# Allegro board IMX7D EVK BOARD REV D_160314.brd (continued)
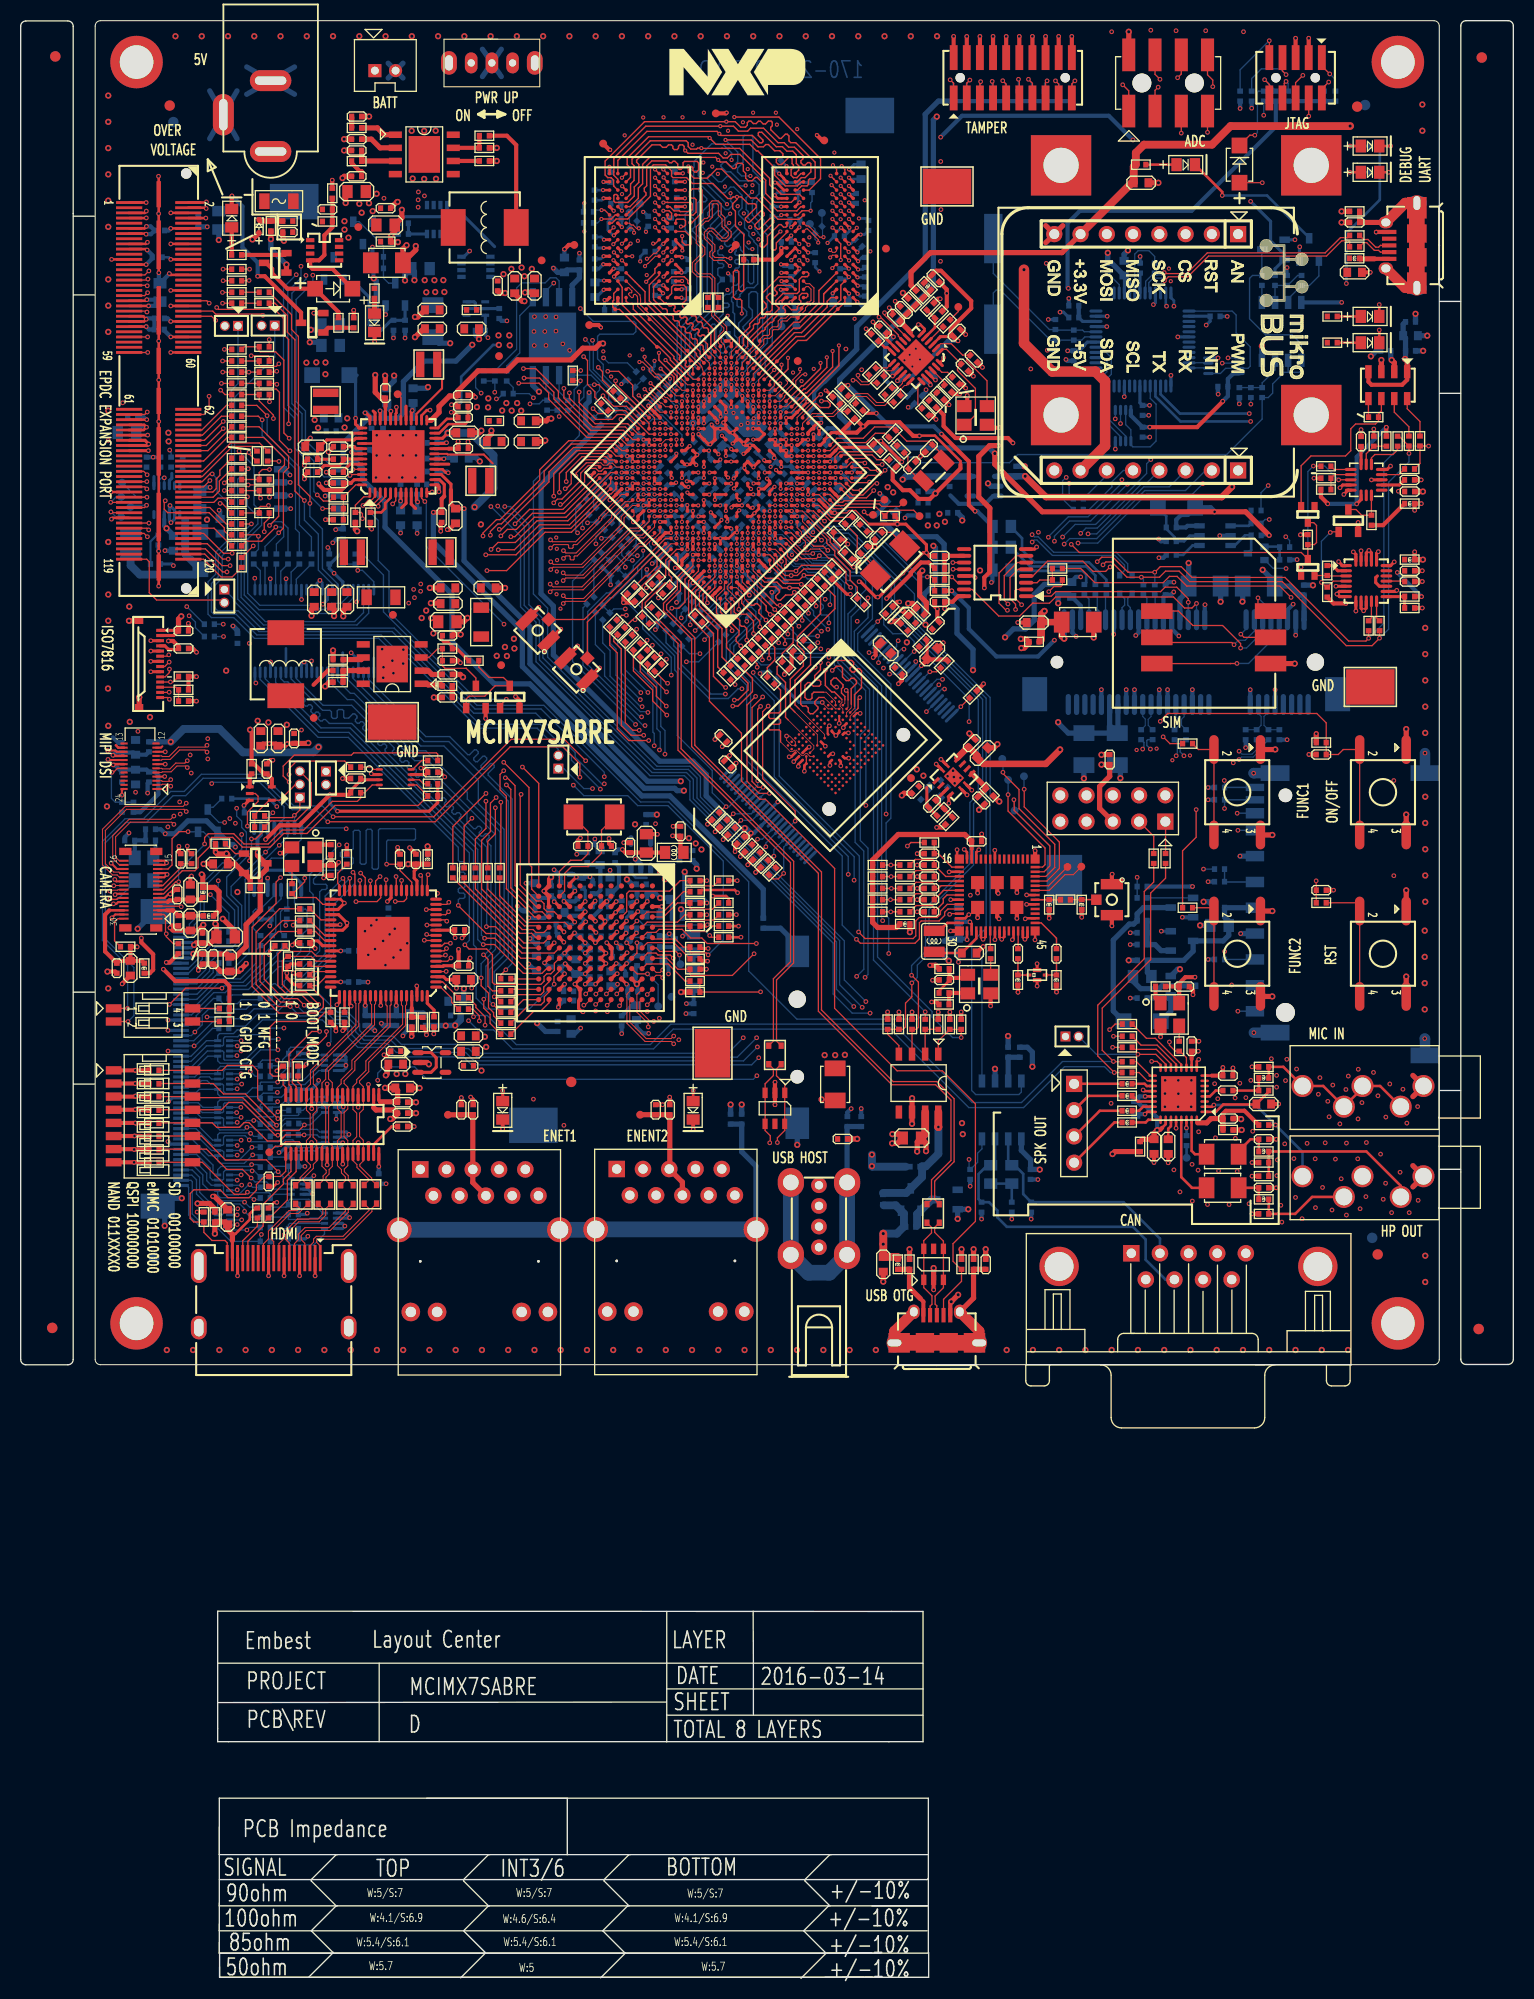
[diagram p0: board, top side]
## Routing (per net, layer and track width the routed paths; a pad name or vN(x,y) marks a point on that pad's centre or on a via; arc(x,y) is an arc through that point) (continued)
  BOTTOM w0.127: RN17.4 21.36,86.49 v1(21.37,86.5)
LCD_R2: length 56.3
  TOP w0.127: v1(39.04,100.41) 39.07,100.38 U13.10
  L6_INT_2 w0.127: v1(39.04,100.41) 39.39,100.41 40.73,101.75 41.64,101.75 42.18,102.28 42.18,102.89 42.3,103.02 42.71,103.02 42.84,102.89 42.84,102.56 42.96,102.43 43.34,102.43 43.47,102.56 43.47,102.84 43.62,102.99 43.95,102.99 44.13,102.81 44.13,101.29 43.95,101.11 41.11,101.11 39.04,99.04 39.04,95.46 36.31,92.73 35.52,92.73 35.39,92.6 35.39,92.07 35.27,91.94 34.66,91.94 34.45,92.14 34.1,92.14 34,92.25 34,92.6 33.87,92.73 33.46,92.73 33.34,92.6 33.34,91.64 33.21,91.51 32.9,91.51 32.78,91.64 32.78,92.6 32.65,92.73 32.32,92.73 32.19,92.6 32.19,91.41 31.76,90.98 29.35,90.98 28.99,90.62 28.18,90.62 27.98,90.82 27.98,92.32 27.82,92.47 27.52,92.47 27.39,92.35 27.39,91.23 27.27,91.1 26.86,91.1 26.73,91.23 26.73,92.2 26.61,92.32 26.28,92.32 26.16,92.2 26.16,91.17 26.03,91.04 25.6,91.04 24.57,92.07 20.79,92.07 19.65,90.93 19.65,88.27 v1(20.94,86.98)
  BOTTOM w0.127: RN17.6 20.93,86.99 v1(20.94,86.98)
LCD_R3: length 57
  TOP w0.127: U13.9 40.77,99.88 41.01,100.12 v1(41.57,100.12)
  L6_INT_2 w0.127: v1(21.32,87.49) 21.32,87.85 22.21,88.74 22.21,89.02 22.01,89.22 21.7,89.22 20.81,88.33 20.23,88.33 20.03,88.54 20.03,90.75 20.92,91.64 22.87,91.64 23.36,91.14 23.54,91.14 24.11,91.71 24.29,91.71 24.47,91.53 24.47,91.36 23.9,90.79 23.9,90.61 24.24,90.26 25.13,90.26 25.54,89.86 25.89,89.86 26.01,89.99 26.01,90.52 26.14,90.65 26.39,90.65 26.52,90.52 26.52,89.99 26.65,89.86 26.9,89.86 27.03,89.99 27.03,90.52 27.16,90.65 27.41,90.65 27.54,90.52 27.54,90.09 27.66,89.96 29.5,89.96 29.68,89.78 29.68,89.38 29.81,89.25 30.09,89.25 30.21,89.38 30.21,89.83 30.34,89.96 30.62,89.96 30.72,89.86 30.72,89.15 30.85,89.02 31.15,89.02 31.28,89.15 31.28,90.29 31.41,90.42 31.71,90.42 31.84,90.29 31.84,89.02 31.96,88.89 32.27,88.89 32.4,89.02 32.4,90.93 32.52,91.05 32.85,91.05 32.98,90.93 32.98,89.99 33.11,89.86 33.31,89.86 33.64,90.19 33.64,91.03 33.79,91.18 34.12,91.18 34.25,91.05 34.25,90.93 34.38,90.8 34.68,90.8 34.81,90.93 34.81,91.38 34.94,91.51 35.27,91.51 35.39,91.38 35.39,90.93 35.52,90.8 35.77,90.8 35.9,90.93 35.9,92.11 36.12,92.32 36.64,92.32 36.82,92.14 37.17,92.14 37.39,92.37 37.39,92.55 37.15,92.79 37.15,92.97 37.33,93.15 37.51,93.15 37.79,92.87 37.97,92.87 38.15,93.05 38.15,93.23 37.87,93.5 37.87,93.68 38.05,93.86 38.23,93.86 38.5,93.6 38.68,93.6 38.86,93.78 38.86,93.96 38.59,94.22 38.59,94.4 38.77,94.58 38.95,94.58 39.24,94.29 39.42,94.29 39.6,94.47 39.6,94.65 39.31,94.94 39.31,95.12 39.46,95.27 39.46,97.4 39.71,97.66 39.71,98.09 39.46,98.34 39.46,98.8 40.78,100.12 v1(41.57,100.12)
  BOTTOM w0.127: RN17.8 21.32,87.49 v1(21.32,87.49)
LCD_R4: length 56.2
  TOP w0.127: v1(41.18,99.61) 40.95,99.38 U13.8
  L6_INT_2 w0.127: v1(41.18,99.61) 40.88,99.61 40.32,99.05 40.32,98.62 40.45,98.49 40.85,98.49 40.98,98.37 40.98,98.06 40.85,97.94 40.45,97.94 40.32,97.81 40.32,97.37 40.19,97.25 40.02,97.25 39.89,97.12 39.89,96.87 40.02,96.74 40.19,96.74 40.32,96.61 40.32,96.36 40.19,96.23 40.02,96.23 39.89,96.1 39.89,95.85 40.02,95.72 40.19,95.72 40.32,95.6 40.32,94.68 40.06,94.43 40.06,94.25 40.42,93.89 40.42,93.71 40.24,93.54 40.06,93.54 39.71,93.89 39.53,93.89 39.35,93.71 39.35,93.53 39.76,93.11 39.76,92.93 39.58,92.75 39.4,92.75 38.99,93.17 38.81,93.17 38.63,92.99 38.63,92.81 38.88,92.56 38.88,92.38 38.7,92.2 38.52,92.2 38.27,92.45 38.09,92.45 37.32,91.69 36.74,91.69 36.47,91.42 36.47,90.84 35.99,90.35 34.44,90.35 31.94,87.85 31.18,87.85 31,87.67 31,86.96 30.87,86.84 30.59,86.84 30.44,86.99 30.44,88.68 30.33,88.79 29.96,88.79 29.83,88.66 29.83,87.12 29.7,86.99 29.37,86.99 29.25,87.12 29.25,89.35 29.12,89.48 28.79,89.48 28.66,89.35 28.66,87.42 28.54,87.29 28.28,87.29 28.13,87.45 28.13,88.82 27.95,88.99 27.27,88.99 27.14,88.87 27.14,87.06 27.01,86.94 26.01,86.94 25.92,87.03 25.92,87.61 25.98,87.67 26.4,87.67 26.55,87.83 26.55,89.35 26.43,89.48 26.1,89.48 25.97,89.35 25.97,88.39 25.84,88.26 25.54,88.26 25.41,88.39 25.41,89.2 25.28,89.33 24.47,89.33 22.59,91.2 21.04,91.2 20.48,90.65 20.48,89.68 v1(20.92,89.25)
  BOTTOM w0.127: v1(20.92,89.25) 20.92,89.22 20.89,89.2 RN18.2
LCD_R5: length 56.5
  TOP w0.127: v1(41.08,98.98) 40.99,98.88 U13.7
  L6_INT_2 w0.127: v1(41.08,98.98) 41.26,99.15 41.9,99.15 42.2,98.85 42.2,96.71 41.69,96.21 41.69,94.86 41.82,94.74 42.71,94.74 42.84,94.61 42.84,94.13 42.71,94 41.82,94 41.69,93.87 41.69,93.49 42.81,92.37 42.81,91.81 42.48,91.48 41.59,91.48 41.31,91.2 41.31,91.03 42.3,90.04 42.3,89.86 42.12,89.68 41.94,89.68 40.95,90.67 40.77,90.67 40.59,90.49 40.59,90.31 41.57,89.33 41.57,89.15 41.39,88.97 41.21,88.97 40.23,89.95 40.05,89.95 39.88,89.77 39.88,89.59 40.84,88.62 40.84,88.45 40.66,88.27 40.48,88.27 39.52,89.23 39.34,89.23 38.61,88.5 38.61,88.3 39.05,87.85 39.05,87.52 37.46,85.93 37.46,84.23 36.97,83.74 34.85,83.74 34.62,83.97 34.62,84.52 34.49,84.65 34.24,84.65 34.11,84.52 34.11,83.76 33.99,83.64 33.73,83.64 33.6,83.76 33.6,84.4 33.48,84.52 33.22,84.52 33.1,84.4 33.1,83.76 32.97,83.64 25.82,83.64 25.13,84.32 24.37,84.32 22.7,85.99 22.7,89.21 22.15,89.77 21.39,89.77 v1(21.32,89.71)
  BOTTOM w0.127: v1(21.32,89.71) 21.31,89.7 RN18.4
LCD_R6: length 56.7
  TOP w0.127: v1(41.62,98.7) 41.3,98.38 U13.6
  L6_INT_2 w0.127: v1(20.94,90.19) 22.36,90.19 23.18,89.38 23.18,88.28 23.3,88.16 24.01,88.16 24.14,88.03 24.14,87.78 24.01,87.65 23.3,87.65 23.18,87.52 23.18,87.27 23.3,87.14 24.01,87.14 24.14,87.01 24.14,86.76 24.01,86.63 23.3,86.63 23.18,86.51 23.18,86.15 23.3,86.02 23.79,86.02 24.55,85.26 25.65,85.26 25.77,85.13 25.77,84.4 25.9,84.27 26.16,84.27 26.28,84.4 26.28,85.13 26.41,85.26 26.66,85.26 26.79,85.13 26.79,84.22 26.92,84.09 27.17,84.09 27.3,84.22 27.3,85.13 27.43,85.26 27.68,85.26 27.81,85.13 27.81,84.7 27.93,84.58 28.19,84.58 28.31,84.7 28.31,85.13 28.44,85.26 28.7,85.26 28.82,85.13 28.82,84.22 28.95,84.09 29.2,84.09 29.33,84.22 29.33,85.13 29.46,85.26 29.71,85.26 29.84,85.13 29.84,84.22 29.97,84.09 30.22,84.09 30.35,84.22 30.35,85.13 30.47,85.26 30.73,85.26 30.85,85.13 30.85,84.91 30.98,84.78 31.24,84.78 31.36,84.91 31.36,85.13 31.49,85.26 31.74,85.26 31.87,85.13 31.87,84.7 32,84.58 32.25,84.58 32.38,84.7 32.38,85.13 32.51,85.26 35.06,85.26 35.22,85.11 35.22,84.37 35.37,84.22 35.62,84.22 35.75,84.35 35.75,85.31 35.85,85.41 36.22,85.41 36.33,85.3 36.33,84.4 36.44,84.3 36.79,84.3 36.92,84.42 36.92,86.28 38.2,87.56 38.2,88.88 39.05,89.73 39.05,89.91 38.69,90.28 38.69,90.46 38.87,90.64 39.05,90.64 39.41,90.27 39.59,90.27 40.5,91.18 40.5,92.37 41.24,93.11 41.24,96.7 41.78,97.25 41.78,98.54 v1(41.62,98.7)
  BOTTOM w0.127: v1(20.94,90.19) 20.93,90.2 RN18.6
LCD_R7: length 56.5
  TOP w0.127: v1(41.16,97.4) 41.14,97.38 U13.4
  L6_INT_2 w0.127: v1(41.16,97.4) 40.79,97.03 40.79,93.28 39.31,91.79 38.72,91.79 38.38,91.45 38.38,90.99 37.96,90.57 37.96,90.37 38.38,89.95 38.38,89.74 38.18,89.54 37.94,89.54 37.05,90.44 36.87,90.44 36.69,90.26 36.69,90.04 37.79,88.93 37.79,88.75 37.58,88.54 37.37,88.54 36.04,89.87 35.86,89.87 35.66,89.67 35.66,89.44 36.49,88.61 36.49,88.41 36.05,87.98 35.8,87.98 34.39,89.39 34.21,89.39 34.01,89.19 34.01,89.01 34.96,88.06 34.96,87.88 34.79,87.7 34.61,87.7 33.62,88.69 33.44,88.69 33.27,88.53 33.27,88.35 34.19,87.43 34.19,87.25 34,87.07 33.82,87.07 32.87,88.02 32.69,88.02 32.52,87.85 32.52,87.67 33.26,86.94 33.26,86.76 33.06,86.56 32.88,86.56 32.13,87.3 31.95,87.3 31.74,87.09 31.74,86.91 32.65,86 32.65,85.82 32.52,85.69 31.84,85.69 31.7,85.83 31.7,86.26 31.45,86.52 31.21,86.52 31.1,86.4 31.1,85.87 30.97,85.74 30.72,85.74 30.59,85.87 30.59,86.33 30.46,86.45 30.21,86.45 30.08,86.33 30.08,85.87 29.96,85.74 29.04,85.74 28.92,85.87 28.92,86.23 28.79,86.35 28.41,86.35 28.28,86.23 28.28,85.87 28.15,85.74 27.82,85.74 27.7,85.87 27.7,86.33 27.57,86.45 27.29,86.45 27.16,86.33 27.16,85.92 27.04,85.79 26.73,85.79 26.61,85.92 26.61,86.33 26.48,86.45 26.17,86.45 26.05,86.33 26.05,85.92 25.92,85.79 25.61,85.79 25.36,86.05 25.36,87.83 24.88,88.31 24.5,88.31 23.71,89.1 23.71,89.48 22.49,90.7 v1(21.32,90.7)
  BOTTOM w0.127: RN18.8 v1(21.32,90.7)
LD_WLAN_B: length 10.2
  BOTTOM w0.254: D6.2 97.64,136.57 103.06,136.57 103.94,135.69 R128.2
LD_WPAN_B: length 8.5
  BOTTOM w0.254: D7.2 95.84,136.14 102.7,136.14 103.06,135.78 103.06,135.01 R129.2
LD_WWAN_B: length 12.5
  BOTTOM w0.254: R127.2 105.01,135.28 103.31,136.98 98.04,136.98 96.86,138.15 96.86,139.29 95.78,140.37 D5.2
LDO_VDD1P5: length 5.4
  TOP w0.254: L18.2 88.47,99.18 C235.1 92.43,100.58 U16.33
LED_WLAN_B: length 2.5
  BOTTOM w0.127: R128.1 104.13,133.67 J8.44
LED_WPAN_B: length 2.6
  BOTTOM w0.127: J8.46 103.33,133.41 R129.1
LED_WWAN_B: length 2.5
  BOTTOM w0.127: J8.42 104.93,133.78 R127.1
LEDA: length 34.1
  TOP w0.254: 9.21,119.27 9.44,119.04 J30.14
  L3_INT_1 w0.305: v2(18.02,141.09) 15.96,139.03 15.96,137.84 v1(14.77,136.65)
  L6_INT_2 w0.635: v2(10.55,121.53) 11.62,121.53 12.18,120.97 14.16,120.97 16.19,123.01 16.19,128.52 18.48,130.8 18.48,135.76 17.84,136.39 17.84,140.91 v2(18.02,141.09)
  BOTTOM w0.305: R624.2 14.61,136.8 v1(14.77,136.65)
LEDK: length 25.5
  TOP w0.203: 13.7,119.17 13.57,119.04 J30.11
  L6_INT_2 w0.635: v2(14.11,140.25) 16.09,138.27 16.09,136.09 17.36,134.82 17.36,131.06 15.2,128.9 15.2,123.41 13.78,121.99 v2(12.51,121.99)
  BOTTOM w0.305: U43.10 13.89,141.12
  BOTTOM w0.406: 13.89,141.12 13.89,140.47 v2(14.11,140.25)
  BOTTOM w0.508: v2(14.11,140.25) 14.77,139.59 R626.2
LICELL: length 72.4
  TOP w0.305: v1(33.31,151.43) 33.38,151.43 33.78,151.03 U4.36
  BOTTOM w0.508: R19.2 71.83,105.34 62.8,114.37 60.08,114.37 49.24,125.21 45.79,125.21 41.72,129.28 41.72,133.88 35.24,140.35 35.24,142.79 33.06,144.98 33.06,146.07 32.29,146.83 31.54,146.83 31.19,147.18 31.19,148.49 33.58,150.89 C30.1 33.4,151.43 v1(33.31,151.43)
LOCK_REC_CLK1: length 3.2
  TOP w0.127: v1(58.61,100.16) 59.11,99.66 U31.C7
  BOTTOM w0.127: R278.1 60.65,100.68 59.22,100.68 58.7,100.16 v1(58.61,100.16)
LPO: length 1.8
  TOP w0.127: R492.1 93.78,99.59 U16.36
MAIN_PWR: length 21.8
  TOP w0.406: L2.2 47.93,177.33 47.03,178.23 R14.1
  BOTTOM w0.305: R613.1 36.54,170 36.94,170.4 42.94,170.4 45.83,167.51
  vias: v2(46.7,164.84) v2(47.46,165.35) v2(48.45,165.47) v2(48.73,164.64) v2(49.44,165.35)
MAIN_PWR_EN: length 11.4
  BOTTOM w0.305: Q31.1 37.18,161.79 R547.1 C396.1 35.83,160.38 34.87,159.41 R543.2 34.22,159.41 33.69,159.94 33.69,162.63 32.37,163.95 31.59,163.95 Q10.1
MAIN_PWR_EN_B: length 8.3
  BOTTOM w0.127: Q31.3 35.58,163.96 35.09,164.46 R612.2 R611.1 35.09,167.56 32.74,169.91 Q21.1
MEM_3V3: length 99.9
  TOP w0.254: U10.J10 79.32,117.69 v1(79.32,117.27) ; U10.K9 78.27,117.65 v1(78.27,117.32) ; U10.E6 79.17,120.53 v1(78.85,120.21) 78.46,120.6 U10.F5
  TOP w0.305: C193.1 87.67,129.41 R340.2 ; 87.65,115.18 87.65,113.43 C377.1 88.63,112.44 R323.1
  TOP w0.406: v1(87.11,126.97) 87.67,127.53 C193.1 87.74,127.57 89.54,127.57 R479.2 ; R336.1 v1(67.17,110.9) ; R98.1 71.09,106.97 v1(71.09,106.97) ; R335.1 v1(67.94,110.14) ; R334.1 v1(70.33,107.71) ; R333.1 69.61,108.52 v1(69.61,108.5) ; R97.1 v1(66.43,111.63)
  TOP w0.508: v1(70.64,110.77) 70.31,110.44 C192.1
  L3_INT_1 w0.508: v1(51.53,165.42) 54.82,162.12 54.82,160.27 53.94,159.38 53.94,158.29 55.15,157.07 55.15,156.05 54.85,155.75 54.85,153.51 v1(54.98,153.38)
  BOTTOM w0.305: 71.65,111.51 U12.12 ; v1(110.32,101.29) 110.33,101.29 Q6.2 ; v1(87.11,126.97) U12.37 ; R104.1 v1(107.32,94.82) ; C194.1 v1(107.32,101.13) ; R105.1 v1(107.32,99.99)
  BOTTOM w0.406: v1(70.64,110.77) 70.91,110.77 71.65,111.51
  BOTTOM w0.508: v2(107.17,98.47) 107.18,98.46 R102.2 ; v1(54.98,153.38) 54.98,152.52 54.65,152.19 54.65,150.36 55.43,149.58 ; v1(70.64,110.77) 70.16,111.26 v2(70.04,111.26) 69.42,111.26 66.31,114.37 66.31,116.45 65.04,117.72 61.81,117.72 51.52,128.01 51.52,132.73 50.33,133.93 50.33,144.47 55.43,149.58 ; 55.43,149.58 R92.1 ; U11.8 53.34,163.78 54.04,164.47 C190.1 52.82,165.24 C189.1 51.93,165.01 v1(51.53,165.42)
  vias: v2(86.68,116.93) v2(87.31,116.33)
MEM_3V3_EN: length 3.2
  TOP w0.508: U35.5 93.37,115.18 R327.2 92.56,114.27 C379.1
MEM_3V3_FB: length 3.7
  TOP w0.305: R324.1 R323.2 89.31,113.13 C377.2 88.5,113.96 U35.3
MFI_I2C_SCL: length 3.1
  TOP w0.127: R518.2 110.73,111.86 J20.1
MFI_I2C_SDA: length 3.7
  TOP w0.127: J20.3 109.59,110.47 R519.2
MIC: length 3.7
  TOP w0.254: C277.2 R182.2 L29.1
MIC_IN: length 2
  TOP w0.254: C277.1 115.58,85.87 115.02,85.31 U24.4
MIC_RAW: length 17.2
  TOP w0.254: L29.2 TVS4.2 122.13,88.16 J16.5 125.98,86.31 J16.4 129.78,86.11 J16.3 131.48,86.31 J16.2
MICBIAS: length 7.1
  TOP w0.254: R182.1 120.71,85.76 C272.1 119.47,84.52 116.32,84.52 115.6,83.81 U24.1
MIPI_CSI_CLK_N: length 71.4
  TOP w0.104: J29.20 9.56,106.5 9.33,106.72 8.89,106.72 7.91,107.7 7.91,111.14 10.12,113.35 15.7,113.35 v1(16.01,113.67) ; U7.A15 60.78,140.25 60.75,140.22 60.13,139.6 59.31,139.6 54.29,134.59 51.49,134.59 v1(51.22,134.86)
  L6_INT_2 w0.117: v1(51.22,134.86) 50.98,134.63 49.38,134.63 45.72,130.97 36.3,130.97 21.22,115.89 19.9,115.89 17.46,113.46 16.23,113.46 v1(16.01,113.67)
MIPI_CSI_CLK_P: length 71.5
  TOP w0.104: U7.B15 61.31,140.39 60.25,139.32 59.42,139.32 54.41,134.31 51.41,134.31 v1(51.22,134.11) ; J29.19 9.61,106.9 9.51,107 9,107 8.19,107.82 8.19,111.03 10.24,113.07 15.8,113.07 v1(16.01,112.86)
  L6_INT_2 w0.117: v1(16.01,112.86) 16.33,113.18 17.58,113.18 20.02,115.61 21.34,115.61 36.41,130.69 45.84,130.69 49.49,134.35 50.98,134.35 v1(51.22,134.11)
MIPI_CSI_D0_N: length 70.5
  TOP w0.104: U7.A16 60.26,140.86 60.26,140.77 59.76,140.28 58.92,140.28 54.38,135.73 52.69,135.73 v1(52.47,135.95) ; v1(8.62,105.17) 8.7,105.25 9.37,105.25 9.42,105.3 J29.23
  L6_INT_2 w0.117: v1(52.47,135.95) 52.2,135.68 48.93,135.68 47.15,133.9 39.26,133.9 37.37,132.01 34.65,132.01 30.92,128.29 30.92,127.59 20.75,117.42 18.66,117.42 15.99,114.75 15.15,114.75 9.54,109.14 9.54,107.97 8.39,106.83 8.39,105.4 v1(8.62,105.17)
MIPI_CSI_D0_P: length 70.4
  TOP w0.104: v1(52.47,135.2) 52.72,135.45 54.49,135.45 59.04,140 59.88,140 60.78,140.9 U7.B16 ; J29.22 9.02,105.7 v1(9,105.68)
  L6_INT_2 w0.117: v1(52.47,135.2) 52.27,135.4 49.05,135.4 47.27,133.62 39.38,133.62 37.49,131.73 34.76,131.73 31.2,128.17 31.2,127.48 20.87,117.14 18.77,117.14 16.1,114.47 15.27,114.47 9.82,109.02 9.82,107.41 9.56,107.16 9.12,107.16 8.67,106.71 8.67,106.01 v1(9,105.68)
MIPI_CSI_D1_N: length 68.6
  TOP w0.104: U7.A14 61.31,139.69 61.14,139.52 60.98,139.52 60.27,138.8 59.79,138.8 54.46,133.47 52.74,133.47 v1(52.48,133.74) ; J29.17 9.54,107.7 8.9,108.34 8.9,110.52 10.49,112.11 14.51,112.11 v1(14.82,112.42)
  L6_INT_2 w0.117: v1(52.48,133.74) 52.19,133.44 49.88,133.44 45.79,129.36 36.56,129.36 21.47,114.27 20.24,114.27 18.08,112.11 15.13,112.11 v1(14.82,112.42)
MIPI_CSI_D1_P: length 68.6
  TOP w0.104: v1(52.48,132.98) 52.69,133.19 54.57,133.19 59.9,138.52 60.39,138.52 61.1,139.24 61.25,139.24 61.84,139.82 U7.B14 ; J29.16 9.53,108.1 9.18,108.45 9.18,110.41 10.6,111.83 14.61,111.83 v1(14.82,111.62)
  L6_INT_2 w0.117: v1(52.48,132.98) 52.3,133.17 50,133.17 45.91,129.08 36.67,129.08 21.58,113.99 20.36,113.99 18.2,111.83 15.03,111.83 v1(14.82,111.62)
MIPI_DSI_CLK_N: length 59.2
  TOP w0.104: v1(16.12,117.11) 15.96,117.27 15.11,117.27 14.55,116.7 13.7,116.7 13.64,116.64 J30.5 ; v1(52.5,137.34) 52.74,137.59 53.08,137.59 53.15,137.52 53.15,137.27 53.22,137.2 53.46,137.2 53.53,137.27 53.53,137.52 53.6,137.59 53.83,137.59 57.44,141.19 57.44,141.41 58.5,142.47 U7.A19
  L6_INT_2 w0.117: v1(16.12,117.11) 16.29,117.29 16.75,117.29 17.16,117.7 17.16,119.78 21.55,124.17 22.91,124.17 26.94,128.2 26.94,129.38 34.02,136.47 43.45,136.47 43.75,136.77 46.38,136.77 47.19,137.59 52.26,137.59 v1(52.5,137.34)
MIPI_DSI_CLK_P: length 59.3
  TOP w0.104: v1(52.5,138.09) 52.73,137.86 53.72,137.86 57.16,141.31 57.16,141.52 58.47,142.83 59.02,142.83 U7.B19 ; J30.6 13.64,117.04 13.7,116.98 14.43,116.98 15,117.54 15.89,117.54 v1(16.12,117.77)
  L6_INT_2 w0.117: v1(16.12,117.77) 16.32,117.57 16.63,117.57 16.88,117.81 16.88,119.9 21.44,124.45 22.8,124.45 26.66,128.31 26.66,129.5 33.91,136.75 43.33,136.75 43.63,137.05 46.27,137.05 47.08,137.86 52.27,137.86 v1(52.5,138.09)
MIPI_DSI_D0_N: length 59.9
  TOP w0.104: U7.A20 57.99,143 56.2,141.21 56.2,141.08 53.8,138.68 53.5,138.68 53.43,138.61 53.43,138.39 53.36,138.32 53.06,138.32 53,138.39 53,138.61 52.93,138.68 51.58,138.68 v1(51.25,138.35) ; J30.2 13.64,115.44 13.7,115.5 14.3,115.5 14.49,115.31 v1(14.51,115.31)
  L6_INT_2 w0.117: v1(51.25,138.35) 50.97,138.63 44.08,138.63 43.04,137.59 33.15,137.59 15.43,119.87 15.43,115.79 15.1,115.46 14.67,115.46 v1(14.51,115.31)
MIPI_DSI_D0_P: length 59.9
  TOP w0.104: J30.3 13.64,115.84 13.7,115.78 14.35,115.78 v1(14.51,115.94) ; U7.B20 58.13,143.53 55.92,141.33 55.92,141.2 53.68,138.96 51.43,138.96 v1(51.25,139.14)
  L6_INT_2 w0.117: v1(51.25,139.14) 51.02,138.91 43.96,138.91 42.92,137.86 33.03,137.86 15.15,119.98 15.15,115.91 14.98,115.74 14.72,115.74 v1(14.51,115.94)
MIPI_DSI_D1_N: length 58.2
  TOP w0.104: v1(18.02,118.61) 17.82,118.81 15.38,118.81 14.46,117.9 13.7,117.9 13.64,117.84 J30.8 ; v1(51.27,136.26) 51.5,136.49 54.37,136.49 58.36,140.48 58.36,141.25 58.7,141.6 58.81,141.6 59.07,141.34 59.19,141.34 59.32,141.47 59.32,141.8 U7.A18
  L6_INT_2 w0.117: v1(18.02,118.61) 18.17,118.76 18.86,118.76 22.8,122.7 24.51,122.7 28.97,127.16 28.97,128.17 36.14,135.35 47.13,135.35 48.27,136.49 51.04,136.49 v1(51.27,136.26)
MIPI_DSI_D1_P: length 58.2
  TOP w0.104: U7.B18 59.17,142.47 58.08,141.37 58.08,140.6 54.25,136.77 51.51,136.77 v1(51.27,137.02) ; v1(18.02,119.27) 17.84,119.09 15.26,119.09 14.35,118.18 13.7,118.18 13.64,118.24 J30.9
  L6_INT_2 w0.117: v1(18.02,119.27) 18.25,119.04 18.74,119.04 22.68,122.98 24.4,122.98 28.69,127.27 28.69,128.29 36.03,135.63 47.01,135.63 48.16,136.77 51.02,136.77 v1(51.27,137.02)
MIPI_VREG_0P4V: length 1.2
  TOP w0.254: U7.H18 62.9,145.2 v3(62.98,145.13)
  BOTTOM w0.254: v3(62.98,145.13) 62.98,145.22 C92.1
MK_ADC_IN0: length 5.4
  BOTTOM w0.127: R549.1 R550.2 R557.1 120.08,154.32 121.32,155.57 U40.3
MKBUS_ADC1_IN0: length 67.4
  TOP w0.127: v1(83.6,145.87) 83.12,145.38 81.98,145.38 81.71,145.12 U7.AD1
  BOTTOM w0.127: v1(83.6,145.87) 84.87,147.14 86.27,147.14 86.8,146.6 95.64,146.6 96.43,147.39 116.65,147.39 120.08,150.82 R557.2 120.66,152.9 121.09,153.33 121.09,154.22 122.21,155.34 122.59,155.34 ; 122.59,155.34 123.66,155.34 123.86,155.54 U40.1 123.86,158.08 122.97,158.97 120.41,158.97 118.86,160.52 118.86,164.43 119.14,164.71 R554.2 120.05,167.19 D22.3 ; 122.59,155.34 U40.2
MKBUS_ADC_IN: length 17.6
  L6_INT_2 w0.127: v1(118.99,152.27) 117.75,153.5 J32.1
  BOTTOM w0.127: v1(118.99,152.27) R550.1
MKBUS_ESPI3_MISO: length 89.3
  TOP w0.127: v1(62.44,123.06) 61.48,124.02 61.48,124.85 59.92,126.41 R412.2
  L6_INT_2 w0.127: v1(99.99,139.01) 99.99,138.3 98.39,136.7 96.2,136.7 92.42,132.91 87.92,132.91 85.33,130.32 82.66,130.32 80.2,127.86 80.2,126.36 79.18,125.34 76.41,125.34 72.86,121.79 63.71,121.79 v1(62.44,123.06) ; J32.5 107.78,168.52 107.78,156.03 110.53,153.28 110.53,148.94 108.77,147.19 108.77,145.26 108.04,144.52 v1(107.05,144.52)
  BOTTOM w0.127: v1(99.99,139.01) 99.99,139.49 101.46,140.96 103.49,140.96 v1(107.05,144.52)
MKBUS_ESPI3_MOSI: length 87.7
  TOP w0.127: R413.2 60.63,126.26 v1(62.47,124.43)
  L6_INT_2 w0.127: J32.6 106.16,167.61 106.16,156.51 109.97,152.7 109.97,149.04 108.37,147.44 107.07,147.44 106.31,146.68 106.31,145.15 v1(106.51,144.95) ; v1(62.47,124.43) 64.73,122.17 72.68,122.17 76.21,125.7 78.88,125.7 79.74,126.56 79.74,127.98 82.43,130.68 85.08,130.68 87.69,133.29 91.38,133.29 95.13,137.05 98.16,137.05 99.4,138.3 v1(99.4,139.39)
  BOTTOM w0.127: v1(106.51,144.95) 106.54,144.93 106.54,144.67 103.24,141.37 101.33,141.37 99.4,139.44 v1(99.4,139.39)
MKBUS_ESPI3_SCLK: length 90.3
  TOP w0.127: v1(62.5,122.19) 61.12,123.56 61.12,124.6 59.26,126.46 R415.2
  L6_INT_2 w0.127: J32.4 110.13,154.82 111.09,153.87 111.09,148.68 v1(109.31,146.91) ; v1(100.77,139.41) 100.44,139.08 100.44,138.09 98.69,136.34 96.3,136.34 91.76,131.79 87.39,131.79 85.53,129.94 82.89,129.94 80.69,127.74 80.69,126.07 79.01,124.38 76.03,124.38 73.09,121.43 63.26,121.43 v1(62.5,122.19)
  BOTTOM w0.127: v1(109.31,146.91) 108.9,146.5 108.9,145.56 103.97,140.63 101.99,140.63 v1(100.77,139.41)
MKBUS_ESPI3_SS0_B: length 91.2
  TOP w0.127: R488.2 62.48,125.27 v1(62.57,125.27)
  L6_INT_2 w0.127: v1(102.27,138.83) 101.15,139.95 99.25,139.95 98.89,139.59 98.89,138.37 97.94,137.42 94.94,137.42 91.2,133.67 84.7,133.67 79.34,128.31 79.34,126.66 78.74,126.07 76.05,126.07 72.5,122.52 65.31,122.52 v1(62.57,125.27) ; J32.3 112.67,164.7 113.96,163.42 113.96,144.95 v1(114.34,144.57)
  BOTTOM w0.127: v1(102.27,138.83) 104.18,138.83 108.9,143.55 113.32,143.55 v1(114.34,144.57)
MKBUS_I2C_SCL: length 6.7
  BOTTOM w0.127: J33.5 106.65,145.85 105.55,144.75 105.55,144.27 103.34,142.06 R524.2
MKBUS_I2C_SDA: length 3.7
  BOTTOM w0.127: J33.6 105.05,145.4 R523.2
MKBUS_INT: length 78.3
  L6_INT_2 w0.127: v1(100.93,138.73) 100.93,138.02 98.89,135.98 96.4,135.98 91.73,131.31 90.33,131.31 86.85,127.83 86.37,127.83 83.73,125.19 81.72,125.19 79.46,122.93 75.65,122.93 73.42,120.69 62.67,120.69 60.92,122.45 v1(60.67,122.45)
  BOTTOM w0.127: R470.2 55.59,129.01 56.48,128.12 56.48,125.98 59.93,122.52 60.59,122.52 v1(60.67,122.45) ; v1(100.93,138.73) 101.46,139.26 104.08,139.26 108.72,143.91 112.66,143.91 114.6,145.85 J33.2
MKBUS_PWM2: length 58.3
  TOP w0.127: U7.N3 73.51,140.86 73.5,140.87 v3(73.5,140.88)
  L3_INT_1 w0.102: v3(73.5,140.88) 73.97,141.35 74.63,141.35 75.19,140.79 76.77,140.79 77.56,140
  L3_INT_1 w0.127: 77.56,140 85.86,140 90.84,144.98 90.84,145.36 96.25,150.77 96.25,154.4 96.86,155.01 108.59,155.01 J33.1
  BOTTOM w0.102: TP12.1 73.81,141.19 v3(73.5,140.88)
MKBUS_RST: length 62.1
  TOP w0.127: v1(122.87,133.57) 121.78,134.66 112.79,134.66 111.85,135.6 111.11,135.6 110.5,134.99 103.9,134.99 102.52,136.37 R497.1
  L6_INT_2 w0.127: J32.2 115.21,151.59 119.82,146.98 119.82,144.42 122.87,141.37 v1(122.87,133.57)
MKBUS_UART5_RXD: length 79
  TOP w0.127: v1(60.74,119.73) 58.81,119.73 57.7,120.84 57.7,128.21 56.98,128.93 R468.2
  L6_INT_2 w0.127: v1(60.74,119.73) 61.81,119.73 62.93,118.61 68.13,118.61 68.87,119.35 74.38,119.35 76.85,121.81 82.16,121.81 84.59,124.25 87.01,124.25 89.14,126.38 89.14,127.25 96.61,134.71 100.27,134.71 103.24,137.69 v1(103.24,139.72)
  BOTTOM w0.127: J33.3 111.09,144.27 108.62,144.27 104.08,139.72 v1(103.24,139.72)
MKBUS_UART5_TXD: length 74.8
  TOP w0.127: R469.2 57.37,129.6 57.37,129.3 58.09,128.57 58.09,121.18 59.04,120.24 v1(60.26,120.24)
  L6_INT_2 w0.127: v1(60.26,120.24) 61.86,120.24 62.83,119.27 67.27,119.27 67.73,119.73 74.28,119.73 76.78,122.23 80.24,122.23 81.01,123.01 82.69,123.01 84.36,124.68 86.85,124.68 88.68,126.51 88.68,127.32 96.53,135.17 99.73,135.17 102.73,138.17 102.73,139.57 v1(102.53,139.77)
  BOTTOM w0.127: v1(102.53,139.77) 103.03,140.28 104.13,140.28 108.49,144.65 108.93,144.65 J33.4
MPCIE_1V5: length 10
  BOTTOM w0.406: J8.6 122.53,132.37 v1(123.08,132.91) ; C205.1 102.53,132.76 J8.48 ; v1(111.53,134.1) 111.26,133.83 C206.1 110.53,133.62 J8.28
  BOTTOM w0.508: C205.1 101.43,133.86 R119.2 100.35,133.01 v2(100.35,133)
MPCIE_3V3: length 64
  TOP w0.305: R605.2 79.7,154.1 v1(80.02,154.1) ; v1(82.76,151.38) 81.74,151.38 R607.2
  TOP w0.406: v1(89.06,149.37) 91.71,146.73 91.71,142.51 v1(92.32,141.9)
  TOP w0.508: 98.69,129.47 R120.1
  TOP w0.635: v2(100.93,129.6) 100.69,129.83 C198.1 98.77,131.18 C200.1 98.72,131.95 v2(99.02,132.25)
  TOP w0.762: 98.69,129.47 98.69,131.1 C200.1
  BOTTOM w0.406: v1(92.32,141.9) 92.54,141.9 D5.1 D6.1 94,136.23 D7.1 93.99,135.12 v1(93.89,135.02) ; v1(80.02,154.1) 82.71,151.4 82.74,151.4 v1(82.76,151.38) 84.03,150.11 88.33,150.11 v1(89.06,149.37)
  BOTTOM w0.508: J8.39 106.13,120.51 C204.1 ; C204.1 105.33,121.18 J8.41 ; C204.1 C199.1 101.32,120.44 100.34,121.42 v2(100.34,121.5) ; J8.2 124.13,133.76 C201.1 123.64,133.8 122.76,134.67 C202.1 121.3,135.07 v2(120.13,136.24) ; v2(100.93,129.6) 100.93,131.41 J8.52 ; J8.24 112.13,133.43 112.96,134.26 C203.1 112.96,135.68 112.97,135.68 v2(112.97,136.9)
MX7_ONOFF: length 84.5
  TOP w0.102: 76.69,148.3 v3(76.69,148.3) ; 76.69,148.3 U7.AC8 76.69,148.3
  TOP w0.127: v1(110.22,121.58) 110.22,121.63 110.93,122.35 125.36,122.35 126.27,121.43 R249.2 C367.1 127.44,118.38 127.92,118.86 S2.2 S2.4
  L6_INT_2 w0.127: v1(110.22,121.58) 110.22,123.49 107.22,126.49 107.22,136.39 103.29,140.33 90.92,140.33 82.52,148.72 77.1,148.72 76.69,148.31 v3(76.69,148.3)
